# Altium PCB 4层.PcbDoc (part 2 of 2)
Units mil, origin at the board's own origin, x right, y up, seen from the top; angles counter-clockwise.
Board outline 1095 x 1695 mil, 4 copper layers (Top Layer, GND, POW, Bottom Layer), stack 22.4 mil thick; 74 components, 111 nets, 466 pads, 263 vias.
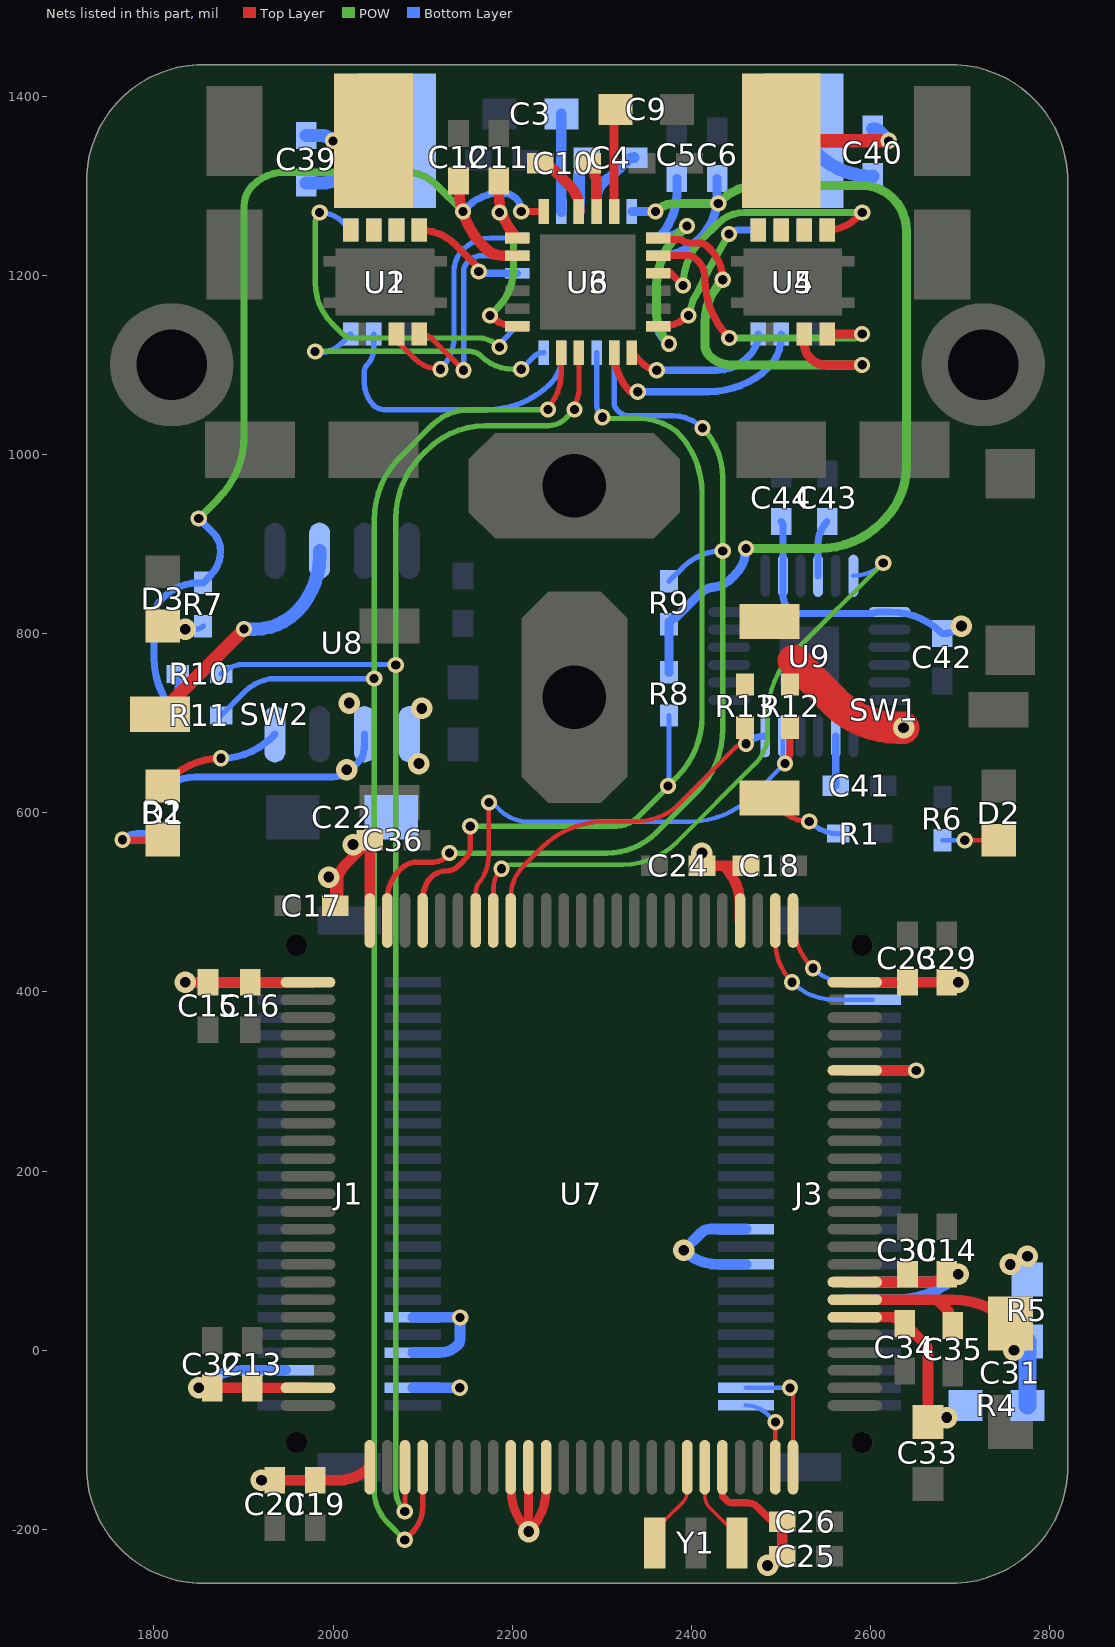
[diagram p4: the nets of this part, all layers, seen from the top]

## Via types
v1: diameter 24, hole 12, Top Layer to Bottom Layer, tented both sides, 137 vias
v2: diameter 18.11, hole 10.24, Top Layer to Bottom Layer, tented both sides, 122 vias
v3: diameter 17.72, hole 10.24, Top Layer to Bottom Layer, tented both sides, 4 vias

## Nets (pads, with @x,y where several pads share a name; then routed paths per layer and width w, separated by ;. In a path a pad name is that pad's centre, name@x,y a point inside that pad or via, vN(x,y) a via of type N, cw(c..) or ccw(c..) an arc to the next point about the centre after c; other vN are vias at no path point) (continued)
IN1: R8.1 U3.15 U7.72 | length 1055.9
  Top Layer w6: U7.72@2099.96,479.8 U7.72@2099.96,500.54 ; v2(2153.18,585) 2153.18,563.52 cw(c2130.44,563.52) 2146.52,547.44 2139.88,540.81 cw(c2125.87,554.82) 2125.87,535 ccw(c2125.87,512.25) 2109.78,528.34 ; U7.72@2099.96,500.54 cw(c2151.66,500.54) 2104.01,520.6 ; U7.72@2099.96,500.54 2099.96,504.62 cw(c2133.49,504.62) 2104.01,520.6 ; 2104.01,520.6 cw(c2133.49,504.62) 2109.78,528.34 ; 2104.01,520.6 cw(c2151.66,500.54) 2105.74,524.29 2109.78,528.34
  POW w6: v2(2153.18,585) 2315.86,585 ccw(c2315.86,619.14) 2340,595 v2@2374.39,629.39 ; v2(2300.56,1041.56) ccw(c2303.97,1044.97) 2303.97,1040.14 2340,1040.14 cw(c2340,967.26) 2383.24,1025.93 cw(c2314.29,956.99) 2411.79,956.99 2411.79,707.53 cw(c2316.39,707.53) 2407.52,679.29 cw(c2316.39,707.53) 2383.88,640.09 ; v2(2373.78,630) 2383.85,640.07
  Bottom Layer w6: U3.15@2294.11,1113.62 2294.11,1057.13 ccw(c2316.13,1057.13) v2(2300.56,1041.56) ; v2(2373.78,630) ccw(c2370.85,632.94) 2375,632.94 R8.1@2375,708.63
IN2: R9.1 U3.14 U7.74 | length 1079.5
  Top Layer w6: U7.74@2060.59,479.8 2060.59,504.24 cw(c2104.08,504.24) 2073.33,535 2075.88,537.55 cw(c2093.87,519.56) 2093.87,545 2111.7,545 ccw(c2111.7,565.03) 2125.87,550.87 v2(2130,555)
  POW w6: v2(2130,555) 2305.2,555 ccw(c2305.2,634.04) 2328.07,558.38 ccw(c2305.2,634.04) 2333.46,560.22 ccw(c2305.2,634.04) 2361.09,578.15 2405.71,622.77 ccw(c2335,693.48) 2435,693.48 v2(2435,892.36) 2435,974.39 ccw(c2357.16,974.39) v2(2412.2,1029.43)
  Bottom Layer w6: U3.14@2313.79,1113.62 2313.79,1057.29 ccw(c2324.71,1057.29) 2316.99,1049.56 2318,1048.55 ccw(c2331.14,1061.7) 2322.93,1045.02 ccw(c2331.14,1061.7) 2331.14,1043.11 2379.18,1043.11 cw(c2379.18,996.4) v2(2412.2,1029.43) ; R9.1@2375,858.53 2390.32,873.86 cw(c2435,829.18) v2(2435,892.36)
IN3: R10.1 U6.15 U7.3 | length 1694
  Top Layer w6: v2(2080,-180) 2080.27,-179.73 U7.3@2080.27,-130.43 ; v2(2269.38,1050) 2265,1050 ccw(c2242.26,1072.74) 2274.42,1072.74 U6.15@2274.42,1113.62
  POW w6: v2(2080,-180) cw(c2104.14,-155.86) 2070,-155.86 2070,928.58 cw(c2170,928.58) 2099.29,999.29 2105,1005 cw(c2170.32,939.68) 2170.32,1032.06 2240,1032.06 ccw(c2240,1059.66) 2259.52,1040.14 v2(2269.38,1050)
  Bottom Layer w6: R10.1@1875,755 cw(c1900.48,729.52) 1900.48,765.56 2069.44,765.56 v2(2070,765)
IN4: R11.1 U6.14 U7.4 | length 1754.5
  Top Layer w6: v2(2080,-211.5) 2088.26,-203.24 ccw(c2060.02,-175) 2099.96,-175 U7.4@2099.96,-130.43 ; v2(2240,1050) 2239.82,1050 2238.77,1051.05 ccw(c2196.74,1091.01) 2254.74,1091.01 U6.14@2254.74,1113.62
  POW w6: v2(2080,-211.5) 2061.06,-192.56 cw(c2097.76,-155.86) 2057.96,-189.17 cw(c2097.76,-155.86) 2049.21,-174.21 cw(c2097.76,-155.86) 2045.86,-155.86 v2(2045.86,750) 2045.86,926.64 cw(c2145.86,926.64) 2070.8,992.71 cw(c2145.86,926.64) 2075.15,997.35 2109.85,1032.06 ; 2109.88,1032.08 cw(c2153.18,988.73) 2151.26,1049.97 cw(c2153.18,988.73) 2153.18,1050 v2(2240,1050)
  Bottom Layer w6: R11.1@1875,708.63 1901.62,735.25 cw(c1937.24,699.62) 1930,749.48 2044.6,749.48 ccw(c2044.6,751.26) v2(2045.86,750)
INT: U7.68 U9.12 | length 742.5
  Top Layer w5: 2179.42,520.28 2179.42,481.55 cw(c2176.95,481.55) U7.68@2178.7,479.8 2178.7,514.82 cw(c2210.77,514.82) v2(2188.09,537.5)
  POW w5: v2(2188.09,537.5) cw(c2199.43,526.16) 2199.43,542.2 2323.78,542.2 ccw(c2323.78,626.28) 2383.24,566.83 2471.58,655.17 ccw(c2439.22,687.55) 2485,687.55 2485,708.32 cw(c2585,708.32) 2514.29,779.03 v2(2614.07,878.81)
  Bottom Layer w5: U9.12@2580.76,864.49 ccw(c2580.76,910.33) 2613.18,877.92 v2(2614.07,878.81)
NetC3_2: C3.2 U3.2 | length 108.9
  Bottom Layer w12: U3.2@2254.74,1271.1 C3.2@2254.73,1380
NetC4_1: C4.1 U3.4 | length 79.8
  Bottom Layer w12: U3.4@2294.11,1271.1 2294.11,1287.09 cw(c2316.57,1287.09) 2300.69,1302.97 cw(c2318.25,1285.42) 2308.26,1308.15 2328.06,1327.95 cw(c2336.14,1319.87) C4.1@2336.14,1331.3
NetC4_2: C4.2 U3.3 | length 62.5
  Bottom Layer w13: U3.3@2274.42,1271.1 2274.42,1310.25 cw(c2304.19,1310.25) C4.2@2283.14,1331.3
NetC5_2: C5.2 U3.7 U3.12 | length 277.5
  POW w10: v2(2375,1123.46) cw(c2408.35,1156.81) 2373.07,1125.51 cw(c2408.35,1156.81) 2361.19,1156.81 2361.19,1188.56 cw(c2439.95,1188.56) 2384.26,1244.26 v3(2395,1255)
  Bottom Layer w10: U3.12@2363,1143.15 ccw(c2381.57,1143.15) 2368.44,1130.02 v2(2375,1123.46) ; C5.2@2383.72,1308.15 2383.72,1291.59 cw(c2312.98,1291.59) 2363.52,1242.1 cw(c2312.98,1291.59) U3.7@2363,1241.57 ccw(c2363,1286.4) 2394.7,1254.7 v3(2395,1255)
NetC6_2: C6.2 R8.2 R9.2 U3.6 U3.8 | length 1164.2
  POW w10: v3(2359.85,1271.1) cw(c2381.34,1249.61) 2361.19,1272.36 cw(c2381.34,1249.61) 2381.34,1280 v2(2430,1280) 2433.74,1283.74 cw(c2473,1244.47) 2473,1300 2590.86,1300 cw(c2590.86,1251.72) 2625,1285.86 cw(c2588.79,1249.64) 2640,1249.64 2640,986.99 cw(c2554.64,986.99) 2615,926.64 2612.65,924.29 cw(c2541.94,995) 2541.94,895 v2(2460.85,895)
  Bottom Layer w10: U3.6@2333.48,1271.1 v3(2359.85,1271.1) ; U3.8@2363,1221.89 2365.86,1221.89 ccw(c2365.86,1280.94) 2407.62,1239.19 2410,1241.57 ccw(c2364.81,1286.76) 2428.72,1286.76 C6.2@2428.72,1308.15 ; R8.2@2375,756.83 R9.2@2375,810.33 2375,812.83 2380,817.83 2382.5,817.83 2408.84,844.17 cw(c2428.97,824.03) 2418.35,850.46 ; v2(2460.85,895) cw(c2419.49,895) 2457.55,878.81 cw(c2419.49,895) 2448.73,865.76 2442.31,859.34 cw(c2415,896.26) 2428.97,852.51 ; 2418.35,850.46 cw(c2428.97,824.03) 2428.97,852.51 ; 2418.35,850.46 ccw(c2415,896.26) 2428.97,852.51 ; 2418.35,850.46 cw(c2428.97,824.03) 2428.97,852.51
NetC9_2: C9.2 U6.2 | length 114.2
  Top Layer w10: U6.2@2313.79,1271.1 2313.79,1382.08 cw(c2317.92,1382.08) C9.2@2315,1385
NetC10_1: C10.1 U6.4 | length 74.1
  Top Layer w12: C10.1@2231.23,1325 cw(c2231.23,1306.46) C10.1@2244.33,1319.58 ; C10.1@2244.34,1319.57 2265,1298.91 cw(c2242.26,1276.17) 2274.42,1276.17 U6.4@2274.42,1271.1
NetC10_2: C10.2 U6.3 | length 56.5
  Top Layer w12: C10.2@2284.23,1325 cw(c2260.38,1301.15) 2294.11,1301.15 U6.3@2294.11,1271.1
NetC11_2: C11.2 U6.7 U6.12 | length 230.1
  Top Layer w8: v2(2175,1155) ccw(c2203.61,1183.61) 2203.61,1143.15 U6.12@2205.53,1143.15
  Top Layer w12: C11.2@2185,1305 2185,1291.13 ccw(c2255.09,1291.13) U6.7@2205.53,1241.57
  POW w8: v2(2175,1155) 2184.05,1164.05 ccw(c2142.6,1205.49) 2201.21,1205.49 2201.21,1232.62 ccw(c2148.35,1232.62) v2(2185.73,1270)
NetC12_2: C12.2 R7.2 R10.2 R11.2 U6.6 U6.8 | length 1199.3
  Top Layer w8: v2(2210,1271.1) U6.6@2235.05,1271.1
  Top Layer w12: C12.2@2140,1305 2140,1301.42 ccw(c2240,1301.42) 2169.29,1230.71 2170,1230 ccw(c2189.58,1249.58) 2189.58,1221.89 U6.8@2205.53,1221.89
  POW w8: v2(1850,928.58) 1871.42,950 ccw(c1800.71,1020.71) 1900.71,1020.71 1900.71,1277.57 cw(c1932.43,1277.57) 1910,1300 cw(c1946.21,1263.79) 1946.21,1315 2081.31,1315 cw(c2081.31,1267.21) 2115.1,1301 v2(2145,1271.1)
  Bottom Layer w8: R10.2@1826.8,755 R11.2@1826.8,708.63 cw(c1891.5,773.33) 1800,773.33 1800,815.86 cw(c1834.14,815.86) 1810,840 cw(c1850.12,799.88) 1850.12,856.62 R7.2@1855,856.62 R7.2@1856.9,858.52 ; v2(1850,928.58) 1866.16,912.42 cw(c1846.1,892.36) 1874.47,892.36 cw(c1835.17,892.36) 1862.96,864.58 R7.2@1856.91,858.53 ; v2(2145,1271.1) 2151.18,1277.28 cw(c2185.73,1242.73) 2185.73,1291.59 2190.03,1291.59 cw(c2190.03,1271.26) 2204.4,1285.64 cw(c2190.89,1272.13) 2210,1272.13 v2(2210,1271.1)
NetC39_1: C39.1 pad.*@2070.8,1350 U2.6 U2.7 U2.8 | length 116
  Bottom Layer w15: C39.1@1970,1302.97 1982.35,1302.97 ccw(c1982.35,1402.97) 2053.06,1332.26 pad.*@2070.8,1350
NetC39_2: C39.2 pad.*@2045.2,1350 U1.6 U1.7 U1.8 | length 76.8
  Top Layer w15: v2(2000,1350) pad.*@2045.2,1350
  Bottom Layer w15: C39.2@1970,1355.97 1985.58,1355.97 cw(c1985.58,1335.58) v2(2000,1350)
NetC40_1: C40.1 pad.*@2525.8,1350 U5.6 U5.7 U5.8 | length 89.3
  Bottom Layer w15: pad.*@2525.8,1350 2539.46,1336.34 ccw(c2602.45,1399.33) C40.1@2602.45,1310.25
NetC40_2: C40.2 pad.*@2500.2,1350 U4.6 U4.7 U4.8 | length 142.7
  Top Layer w15: pad.*@2500.2,1350 v2(2620.15,1350)
  Bottom Layer w15: C40.2@2602.45,1363.25 cw(c2602.45,1352.5) 2610.05,1360.1 v2(2620.15,1350)
NetC41_1: C41.1 U9.20 | length 55.5
  Bottom Layer w8: C41.1@2561.07,630 U9.20@2561.07,685.51
NetC43_1: C43.1 U9.10 | length 63.2
  Bottom Layer w8: U9.10@2541.39,864.49 2541.39,900.86 cw(c2575.52,900.86) C43.1@2551.39,925
NetD1_A: D1.A R2.2 | length 92
  Top Layer w8: v2(1765,570) ccw(c1766.52,571.52) 1766.52,569.37 D1.A@1810,569.37
  Bottom Layer w8: v2(1765,570) cw(c1781.42,553.58) 1781.42,576.8 R2.2@1810,576.8
NetD1_K: D1.K U8.8 | length 141.9
  Top Layer w8: D1.K@1810,630 1816.7,636.7 cw(c1875,578.39) v2(1875,660.85)
  Bottom Layer w8: v2(1875,660.85) ccw(c1875,741.02) 1931.69,684.33 U8.8@1935,687.64
NetD2_K: D2.K R6.1 | length 62.9
  Top Layer w5: v2(2705,569.37) D2.K@2742.94,569.37
  Bottom Layer w5: R6.1@2680,569.37 v2(2705,569.37)
NetD3_A: D3.A R7.1 | length 20.9
  Bottom Layer w6: v1(1835,805) 1846.74,805 ccw(c1846.74,816.68) R7.1@1855,808.42
NetR1_2: R1.2 SW1.3 | length 89.4
  Top Layer w6: SW1.3@2487.05,616.58 2500.44,603.18 ccw(c2531.55,634.29) v2(2531.55,590.3)
  Bottom Layer w6: v2(2531.55,590.3) 2531.79,590.05 ccw(c2563.79,622.05) R1.2@2563.79,576.8
NetSW2_2: SW2.2 U8.2 | length 272.3
  Top Layer w15: SW2.2@1807.07,709.94 cw(c1810.48,709.94) 1808.07,712.35 v2(1900.71,805)
  Bottom Layer w15: v2(1900.71,805) 1912.76,805 ccw(c1912.76,870.6) 1959.14,824.21 ccw(c1896.71,886.64) 1985,886.64 U8.2@1985,892.36
NetU1_3: U1.3 U3.24 | length 268.3
  Top Layer w6: U1.3@2070.8,1130.73 ccw(c2079.46,1130.73) 2073.33,1124.61 2090.87,1107.07 ccw(c2120,1136.2) v2(2120,1095)
  Bottom Layer w6: v2(2120,1095) ccw(c2083.79,1131.21) 2135,1131.21 2135,1204.43 cw(c2169.14,1204.43) 2145,1228.57 2145.79,1229.36 cw(c2175.26,1199.9) 2175.26,1241.57 U3.24@2205.53,1241.57
NetU1_4: U1.4 U3.23 | length 244.5
  Top Layer w6: U1.4@2096.39,1134.32 cw(c2096.39,1112.66) 2109.52,1129.88 cw(c2096.39,1112.66) 2111.7,1127.97 v2(2145.64,1094.04)
  Bottom Layer w6: 2149.88,1214.32 ccw(c2159.79,1204.43) 2145.79,1204.43 v2@2145.79,1094.19 ; 2149.89,1214.33 2151.18,1215.62 cw(c2166.32,1200.48) 2166.32,1221.89 U3.23@2205.53,1221.89 ; v2@2145.79,1094.19 cw(c2123.05,1116.63) v2(2145.64,1094.04) v2@2145.79,1094.19
NetU1_5: U1.5 U3.22 | length 128.2
  Top Layer w8: U1.5@2096.39,1250.46 cw(c2096.39,1192.85) 2137.12,1233.59 2159.79,1210.92 cw(c2153.12,1204.24) v2(2162.56,1204.24)
  Bottom Layer w8: v2(2162.56,1204.24) ccw(c2167.49,1209.17) 2167.49,1202.2 U3.22@2205.53,1202.2
NetU2_3: U2.3 U3.17 | length 329.2
  Bottom Layer w6: U2.3@2045.2,1134.32 2045.2,1117.39 cw(c2020.61,1117.39) 2038.01,1100.01 ccw(c2045.24,1092.76) 2035,1092.76 2035,1079.64 ccw(c2069.84,1079.64) 2045.2,1055 ccw(c2057.28,1067.07) 2057.28,1050 2172.3,1050 ccw(c2172.3,1150) 2243.01,1079.29 ccw(c2214.7,1107.6) 2254.74,1107.6 U3.17@2254.74,1113.62
NetU2_4: U2.4 U3.18 | length 314.6
  POW w6: v2(1980,1115) 2152.93,1115 cw(c2152.93,1097.93) 2165,1110 ccw(c2201.21,1146.21) 2201.21,1095 v2(2210,1095)
  Bottom Layer w6: v2(1980,1115) ccw(c1983.33,1118.33) 1983.33,1113.62 1985,1113.62 ccw(c1985,1147.21) 2008.75,1123.46 U2.4@2019.61,1134.32 ; v2(2210,1095) 2224.07,1109.07 cw(c2235.05,1098.1) U3.18@2235.05,1113.62
NetU2_5: U2.5 U3.19 | length 397.8
  POW w6: v2(1985,1270) ccw(c1997.07,1257.93) 1980,1257.93 1980,1192.39 ccw(c2046.12,1192.39) 1999.37,1145.63 2010,1135 ccw(c2022.07,1147.07) 2022.07,1130 2161.61,1130 cw(c2161.61,1095.89) v2(2185.73,1120.01)
  Bottom Layer w6: v2(1985,1270) cw(c1985,1233.61) 2010.73,1259.34 U2.5@2019.61,1250.46 ; v2(2185.73,1120.01) cw(c2193.8,1120.01) 2188.09,1125.71 U3.19@2205.53,1143.15
NetU4_3: U4.3 U6.24 | length 453
  Top Layer w8: U6.24@2363,1241.57 ccw(c2367.11,1245.68) 2367.11,1239.87 2388.79,1239.87 ccw(c2398.02,1249.09) 2398.02,1236.04 2408.65,1236.04 cw(c2408.65,1223.41) 2411.75,1235.66 cw(c2408.65,1223.41) 2417.59,1232.34 2420.91,1229.03 cw(c2386.88,1195) v2(2435,1195)
  Top Layer w10: U4.3@2525.8,1134.32 2525.8,1124.46 ccw(c2550.39,1124.46) 2533,1107.07 ccw(c2550.06,1124.13) 2550.06,1100 v3(2590.55,1100)
  POW w10: v2(2435,1195) ccw(c2483.28,1146.72) 2415,1146.72 2415,1122.41 ccw(c2432.54,1122.41) 2420.14,1110 ccw(c2444.28,1134.14) 2444.28,1100 v3(2590.55,1100)
NetU4_4: U4.4 U6.23 | length 330.1
  Top Layer w8: U6.23@2363,1221.89 2396.57,1221.89 cw(c2396.57,1210.43) 2404.67,1218.53 2407.65,1215.56 cw(c2390.09,1198) 2414.92,1198 2414.92,1196.13 ccw(c2508.45,1196.13) v2(2442.31,1130)
  Top Layer w10: U4.4@2551.39,1134.32 v3(2590.55,1134.32)
  POW w8: v2(2442.31,1130) 2580.12,1130 ccw(c2580.12,1144.75) v3(2590.55,1134.32)
NetU4_5: U4.5 U6.22 | length 324.7
  Top Layer w8: U6.22@2363,1202.2 2375.89,1202.2 cw(c2375.89,1199.57) 2377.75,1201.43 v2(2390.62,1188.56) ; U4.5@2551.39,1250.46 ccw(c2551.39,1297.83) 2584.88,1264.33 v2(2590.55,1270)
  POW w8: v2(2390.62,1188.56) cw(c2463.02,1188.56) 2400.77,1225.52 cw(c2463.02,1188.56) 2411.79,1239.72 ; 2411.83,1239.76 2430,1257.93 cw(c2459.14,1228.79) 2459.14,1270 v2(2590.55,1270)
NetU5_3: U5.3 U6.17 | length 250.9
  Top Layer w8: U6.17@2313.79,1113.62 ccw(c2375.67,1113.62) 2331.91,1069.87 2332.05,1070 v2(2340,1070)
  Bottom Layer w8: v2(2340,1070) 2418.83,1070 ccw(c2418.83,1167.9) 2479.42,1091.01 2486.9,1098.49 ccw(c2454.79,1130.6) 2495.22,1109.9 ccw(c2454.79,1130.6) 2500.2,1130.6 U5.3@2500.2,1134.32
NetU5_4: U5.4 U6.18 | length 173.2
  Top Layer w8: U6.18@2333.48,1113.62 2346.04,1101.06 ccw(c2363,1118.02) 2363,1094.04 v2(2361.19,1094.04)
  Bottom Layer w8: v2(2361.19,1094.04) 2428.97,1094.04 ccw(c2428.97,1140.36) 2461.73,1107.6 2464.83,1110.71 ccw(c2441.22,1134.32) U5.4@2474.61,1134.32
NetU5_5: U5.5 U6.19 | length 172.6
  Top Layer w8: U6.19@2363,1143.15 2367.96,1143.15 ccw(c2367.96,1183.61) v2(2396.57,1155)
  POW w8: v2(2396.57,1155) 2402.01,1172.73 2407.46,1182.2 2418.83,1205.49 v2(2441.94,1245.99)
  Bottom Layer w8: v2(2441.94,1245.99) cw(c2452.72,1235.21) 2452.72,1250.46 U5.5@2474.61,1250.46
REF+: C33.2 C34.2 R4.2 U7.31 | length 177.7
  Top Layer w12: U7.31@2582.24,36.89 2621.37,36.89 cw(c2621.37,13.37) C34.2@2638,30 2659.38,8.62 cw(c2648.28,-2.48) 2663.98,-2.48 C33.2@2663.98,-80
  other v1: 2685,-75
SCL: R12.2 U7.69 U9.23 | length 567.4
  Top Layer w5: U7.69@2159.01,479.8 2159.01,510.28 cw(c2178.83,510.28) 2161.72,520.28 cw(c2178.83,510.28) 2164.82,524.29 ccw(c2123.06,553.3) 2173.9,553.3 v2(2173.9,611.57)
  Top Layer w8: v2(2504.29,655) ccw(c2490.5,668.79) 2510,668.79 R12.2@2510,695
  Bottom Layer w5: v2(2173.9,611.57) cw(c2173.9,602.14) 2180.57,608.81 2186.28,603.1 ccw(c2217.78,634.6) 2217.78,590.05 2397.92,590.05 ccw(c2397.92,690.05) 2468.63,619.34 v2(2504.29,655) cw(c2509.77,660.48) 2502.02,660.48 U9.23@2502.02,685.51
SDA: R13.2 U7.67 U9.24 | length 403.3
  Top Layer w5: U7.67@2198.38,479.8 2198.38,506.17 cw(c2247.37,506.17) 2212.73,540.81 2232.93,561.01 cw(c2303.65,490.3) 2303.65,590.3 2337.44,590.3 ccw(c2337.44,662.92) 2380.5,604.44 2447.79,671.74 cw(c2460.85,658.68) v2(2460.85,677.14) 2460.85,692.96 ccw(c2457.96,692.96) R13.2@2460,695
  Bottom Layer w8: v2(2460.85,677.14) cw(c2481.05,656.95) 2481.05,685.51 U9.24@2482.33,685.51
SWCLK: J3.25 U7.24 | length 89.4
  Top Layer w5: U7.24@2493.66,-130.43 v2(2493.66,-80)
  Bottom Layer w5: J3.25@2460.85,-61.51 cw(c2460.85,-96.11) 2485.3,-71.65 v2(2493.66,-80)
SWDIO: J3.24 U7.25 | length 138.6
  Top Layer w5: v2(2510,-41.85) cw(c2501.93,-49.92) 2513.34,-49.92 U7.25@2513.34,-130.43
  Bottom Layer w5: J3.24@2460.85,-41.82 2460.88,-41.85 v2(2510,-41.85)
VCC: C13.1 C14.2 C15.2 C16.1 C17.2 C18.2 C19.1 C20.1 C22.1 C23.2 C24.2 C25.1 C26.1 C29.1 C30.2 C32.1 C36.2 C42.2 C44.1 J1.2 J1.4 J1.6 J1.26 J1.48 J3.15 J3.17 J3.32 J3.33 J3.45 R2.1 R5.1 R12.1 R13.1 SW1.1 U7.1 U7.9 U7.10 U7.11 U7.21 U7.33 U7.45 U7.50 U7.54 U7.75 U7.76 U7.99 U8.5 U8.6 U9.8 U9.13 | length 2886.5
  Top Layer w8: U7.21@2434.6,-130.43 2434.6,-162.92 2439.6,-167.91 ccw(c2444.64,-162.87) 2444.64,-170 2461.91,-170 cw(c2461.91,-187.06) 2473.97,-175 C26.1@2501.29,-202.31
  Top Layer w10: U7.9@2198.38,-130.43 2198.38,-154 ccw(c2266.71,-154) v1@2218.07,-201.98 ; U7.10@2218.07,-130.43 v1@2218.07,-201.98 ; U7.11@2237.75,-130.43 2237.75,-155.58 cw(c2171.66,-155.58) v1(2218.4,-202.31) v1@2218.07,-201.99
  Top Layer w12: v1(1835,410.91) C15.2@1860.42,410.91 C16.1@1907.41,410.91 U7.76@1972.01,410.91 ; v1(1850,-41.85) C32.1@1865,-41.85 C13.1@1910,-41.85 U7.99@1972.01,-41.85 ; C20.1@1935,-145 C19.1@1980,-145 2005.73,-145 ccw(c2005.73,-95.27) U7.1@2040.9,-130.43 ; v1@2005.73,528.34 2005.73,504.37 cw(c1994.43,504.37) C17.2@2002.42,496.37 2002.42,512.76 cw(c2046.28,512.76) v1@2005.74,529.48 ; U7.75@2040.9,479.8 C36.2@2040.87,569.37 2015.27,543.77 ; C24.2@2411.75,540.81 2436.3,540.81 ; U7.54@2454.29,479.8 2454.29,497.38 ccw(c2392.87,497.38) 2436.3,540.81 ; C18.2@2460.85,540.81 2436.3,540.81 ; C25.1@2501.29,-230 C26.1@2501.29,-202.31 ; U7.33@2582.24,76.26 2663.98,76.26 ccw(c2663.98,106.1) C14.2@2685.08,85 ; U7.45@2582.24,312.48 2582.34,312.39 v2(2650.97,312.39) ; U7.50@2582.24,410.91 C23.2@2641.14,410.91 C29.1@2685.08,410.91 v1(2697.65,410.91) ; v1@2005.73,529.48 cw(c2046.28,512.76) 2015.27,543.77 ; v1@2005.74,529.48 cw(c2046.28,512.76) 2015.27,543.77
  Top Layer w36: 2513.85,769.9 2559.46,724.29 ccw(c2630.17,795) 2630.17,695 v1(2636.7,695)
  Bottom Layer w8: R2.1@1810,625 cw(c1846.21,588.79) 1846.21,640 2000,640 ccw(c2000,667.91) v1@2019.73,648.17 ; v1@2019.74,648.18 2028.42,656.86 2028.42,657.15 2032.12,660.85 2032.41,660.85 ccw(c1982.47,677.14) 2035,677.14 U8.6@2035,687.64 ; C44.1@2500.2,925 cw(c2495.83,920.62) 2502.02,920.62 U9.8@2502.02,864.49 2502.02,843.7 ccw(c2524.6,843.7) 2508.63,827.73 ccw(c2521.17,840.26) 2521.17,822.54 2602.43,822.54 cw(c2610.52,803.84) 2610.52,824.21 U9.13@2621.03,824.21 2621.55,824.21 cw(c2621.55,741.55) C42.2@2680,800 2680.99,800 ccw(c2680.99,828.75) v1(2701.31,808.42)
  Bottom Layer w12: v1(1835,410.91) J1.26@1947.24,410.89 ; v1(1850,-41.85) cw(c1897.65,-89.5) 1897.65,-22.11 J1.48@1947.24,-22.11 ; J1.2@2088.84,-41.82 v2(2141.35,-41.82) ; J1.4@2088.84,-2.41 2119.2,-2.41 ccw(c2119.2,25.66) 2139.05,5.81 ccw(c2132.84,12.02) 2141.63,12.02 2141.63,36.99 J1.6@2088.84,36.99 ; J3.17@2460.85,95.99 2429.38,95.99 cw(c2429.38,149.75) v1(2391.37,111.73) 2410.61,130.97 cw(c2421.26,120.32) 2421.26,135.38 J3.15@2460.85,135.39 ; J3.32@2602.45,56.59 2629.05,56.59 ccw(c2629.05,153.6) v1(2697.65,85) cw(c2676.61,106.04) 2676.61,76.29 J3.33@2602.45,76.28 ; J3.45@2602.45,312.39 v2(2650.97,312.39)
  other v1: 2485,-240 1920,-145 2755.94,95.94 2775,105 1995.1,528.34 2411.75,555 2022.37,564.57 2015.27,648.05 2095.77,655 2099.06,716.44 2018,722.49
  other v2: 2141.83,36.78
VDDA: C31.1 C35.2 R4.1 R5.2 U7.32 | length 287.3
  Top Layer w12: U7.32@2582.24,56.57 2674.05,56.57 ; C35.2@2691.79,27.83 ccw(c2665.22,27.83) 2691.52,31.6 ccw(c2665.22,27.83) 2684.01,46.62 2674.05,56.57 ; C31.1@2755.94,30 ccw(c2691.79,-34.16) 2691.79,56.57 2674.05,56.57
  Bottom Layer w20: R4.1@2775,-61.51 R5.2@2775,10
  other v1: 2760,0
XI: J3.49 U7.52 | length 169.2
  Top Layer w5: U7.52@2493.66,479.8 2493.66,456.07 ccw(c2557.53,456.07) 2496.96,435.8 ccw(c2557.53,456.07) v2(2512.37,410.91)
  Bottom Layer w5: v2(2512.37,410.91) ccw(c2559.98,458.51) 2559.98,391.18 J3.49@2602.45,391.18
XO: J3.50 U7.51 | length 130.3
  Top Layer w5: U7.51@2513.34,479.8 ccw(c2588.09,479.8) 2535.24,426.95 v2(2535.75,426.44)
  Bottom Layer w5: v2(2535.75,426.44) ccw(c2573.3,463.98) 2573.3,410.89 J3.50@2602.45,410.89
YI: U7.20 Y1.2 | length 97.9
  Top Layer w3.9: U7.20@2414.92,-130.43 2414.92,-162.92 ccw(c2432,-162.92) 2419.92,-175 2424.92,-180 2425,-180 2444.64,-199.64 cw(c2429.27,-215) Y1.2@2451,-215
YO: U7.19 Y1.1 | length 97.4
  Top Layer w3.9: Y1.1@2359,-215 2362.5,-211.5 cw(c2396.3,-211.5) 2372.4,-187.6 2390,-170 ccw(c2377.37,-157.37) 2395.23,-157.37 U7.19@2395.23,-130.43
pads on no net: J1. J3. U3.10 U3.11 U6.10 U6.11 U7.7 U7.8 U7.12 U7.13 U7.97 U7.98 U8.7 U9.2 U9.3 U9.4 U9.5 U9.6 U9.7 U9.14 U9.15 U9.16 U9.17 U9.19 U9.21 U9.22

## Polygon pours and split planes (outlines as drawn)
GND on Top Layer "Top Layer-GND" (solid, pour order 6): 1740,940 1990.95,940 1990.95,847.53 cw(c1987.37,847.53) 1989.9,845 ccw(c2007.17,862.27) 2007.17,837.85 2179.42,837.85 2179.42,595.03 ccw(c2186.11,595.03) 2181.38,590.3 ccw(c2194.18,603.1) 2194.18,585 2790,585 2790,-175 2775,-211.5 cw(c2703.53,-170.4) 2725,-250 cw(c2690.86,-167.58) 2656.72,-250 1856.69,-250 cw(c1856.69,-150) 1785.98,-220.71 1745,-179.73
B- on Top Layer "Top Layer-B-" (solid, pour order 0): 1850,1394.52 1850,965 2725.49,965 2725.49,1385
GND on Bottom Layer "Bottom Layer-GND" (solid, pour order 12): 1740,601.79 2783.64,601.79 cw(c2783.64,561.73) 2811.97,590.05 2811.97,-131.61 cw(c2711.97,-131.61) 2782.68,-202.32 2760,-225 cw(c2699.64,-164.65) 2699.64,-250 1850.94,-250 cw(c1850.94,-215.86) 1826.8,-240 cw(c1826.8,-212.52) 1807.37,-231.95 1740.42,-165
GND on Bottom Layer "Bottom Layer-GND 1" (solid, pour order 10): 2188.25,945.1 1740,945.1 1740,596.59 cw(c1742.5,590.56) 1745,596.59 2190.67,599.26
GND on Bottom Layer "Bottom Layer-GND 2" (solid, pour order 8): 2815.02,1016.63 2471.44,1016.63 2471.44,867.49 cw(c2371.44,867.49) 2442.15,796.78 2400.38,755 ccw(c2406.3,749.07) 2397.92,749.07 2397.92,590.05 2819.75,590.05
B- on Bottom Layer "Bottom Layer-B-" (solid, pour order 2): 1937.24,1390 2650.97,1390 2650.96,978 2105.51,978 cw(c2105.27,1077.99) 2034.56,1007.29 1950.81,1091.05 cw(c1983.7,1123.86) 1937.24,1123.86
VCC on POW "POW-VCC" (solid, pour order 4): 2785,835 2785,-250 1755,-250 1760,-245 1760,835
B+ on GND (split plane): 2160.39,115.63 2160.39,61.68 1766.24,61.68 1766.24,130.29 2040.51,130.29 2041,130.19 2041.49,130.29 2160.39,130.29
GND on GND (split plane): 2799.9,-125 2799.98,-125.77 2799.91,-125.77 2800.08,-130 2799.74,-138.64 2798.73,-147.22 2797.04,-155.7 2794.69,-164.02 2791.7,-172.13 2788.08,-179.98 2783.86,-187.52 2779.06,-194.7 2773.71,-201.49 2767.84,-207.84 2761.49,-213.71 2754.7,-219.06 2747.52,-223.86 2739.98,-228.08 2732.13,-231.7 2724.02,-234.69 2715.7,-237.04 2707.22,-238.73 2698.64,-239.74 2690,-240.08 2685.77,-239.91 2685.77,-239.98 2685,-239.9 1860,-239.9 1859.23,-239.98 1859.23,-239.91 1855,-240.08 1846.36,-239.74 1837.78,-238.73 1829.3,-237.04 1820.98,-234.69 1812.87,-231.7 1805.02,-228.08 1797.48,-223.86 1790.3,-219.06 1783.51,-213.71 1777.16,-207.84 1771.29,-201.49 1765.94,-194.7 1761.14,-187.52 1756.92,-179.98 1753.3,-172.13 1750.31,-164.02 1747.96,-155.7 1746.27,-147.22 1745.26,-138.64 1744.92,-130 1745.09,-125.77 1745.02,-125.77 1745.03,-125.72 1745.1,-125 1745.1,572.35 2031.24,572.35 2035.9,567.69 2035.9,140.48 1761.14,140.48 1759.19,140.09 1757.54,138.99 1756.43,137.34 1756.04,135.39 1756.04,56.59 1756.43,54.63 1757.54,52.98 1759.19,51.88 1761.14,51.49 2165.49,51.49 2167.44,51.88 2169.1,52.98 2170.2,54.63 2170.59,56.59 2170.59,135.39 2170.59,574.9 2799.9,574.9
B- on GND (split plane): 2698.64,1414.74 2707.22,1413.73 2715.7,1412.04 2724.02,1409.69 2732.13,1406.7 2739.98,1403.08 2747.52,1398.86 2754.7,1394.06 2761.49,1388.71 2767.84,1382.84 2773.71,1376.49 2779.06,1369.7 2783.86,1362.52 2788.08,1354.98 2791.7,1347.13 2794.69,1339.02 2797.04,1330.7 2798.73,1322.22 2799.74,1313.64 2800.08,1305 2799.91,1300.77 2799.98,1300.77 2799.9,1300 2799.9,585.1 2165.49,585.1 2163.54,584.71 2161.89,583.6 2160.78,581.95 2160.39,580 2160.39,140.48 2046.1,140.48 2046.1,569.8 2045.71,571.75 2044.6,573.41 2036.96,581.06 2035.3,582.16 2033.35,582.55 1745.1,582.55 1745.1,1300 1745.02,1300.77 1745.09,1300.77 1744.92,1305 1745.26,1313.64 1746.27,1322.22 1747.96,1330.7 1750.31,1339.02 1753.3,1347.13 1756.92,1354.98 1761.14,1362.52 1765.94,1369.7 1771.29,1376.49 1777.16,1382.84 1783.51,1388.71 1790.3,1394.06 1797.48,1398.86 1805.02,1403.08 1812.87,1406.7 1820.98,1409.69 1829.3,1412.04 1837.78,1413.73 1846.36,1414.74 1855,1415.08 1859.23,1414.91 1859.23,1414.98 1860,1414.9 2685,1414.9 2685.77,1414.98 2685.77,1414.91 2690,1415.08

## Other copper
Top Layer:
  rectangle net B+: 2633.95,1385 2715,1415
  rectangle net VCC: 2434.9,728.78 2542.47,837.85
  rectangle net B+: 1995,910 2560,1015
  rectangle net B+: 2500.2,1005 2560,1080
  rectangle net B+: 2465,1015 2510,1143.15
  rectangle net B+: 2053.39,1035 2096.39,1094.04
  rectangle net B+: 2010,1035 2055,1143.15
  rectangle net NetC39_2: 2010,1240 2080.27,1370
  rectangle net NetC40_2: 2465,1240 2533,1360.85
POW:
  rectangle net B+: 2361.19,1385 2725.49,1415
  rectangle net B+: 1860,1375 2200,1415
  pour cut-out: 1932.41,835 1760,835 1760,493.65 ccw(c1777.07,493.65) 1765,481.58 1901.96,618.54 ccw(c1831.25,689.25) 1931.25,689.25 1931.25,693.23
Bottom Layer:
  rectangle net B+: 2019.74,844.17 2185,965
  rectangle net VCC: 2019.74,560 2105,725.79
  rectangle net B+: 2521.7,1055 2560,1143.15
  rectangle net B+: 2062.94,1065 2105,1143.15
  rectangle net NetC40_1: 2493,1241.57 2560,1390
  rectangle net NetC39_1: 2038,1239.19 2105,1390
  pour cut-out: 2460.1,1023.89 ccw(c2568.06,1246.73) 2655.23,1014.97 2655.23,1068.62
GND (plane layer: these items are gaps in the copper):
  lines w10: 1725,577.45 2033.35,577.45 2041,569.8 2041,135.29 ; 2165.49,115.63 2165.49,580 2820,580 ; 1761.14,56.59 1761.14,135.39 2165.49,135.39 2165.49,56.59 2162.7,56.59 1761.14,56.59

## Silkscreen, mask and mechanical layers (free items; w line width, h text height)
Top Overlay:
  text "+" at 2441.94,920.35 h62
  text "off" at 2022.37,870 h36
  text "on" at 2465.76,854.48 h36
  text "PWR" at 2038,747.75 h36 r270
  text "-" at 2252.78,505 h62
  text "on" at 1835,481.55 h36
  text "off" at 2537.29,481.55 h36
  text "Work" at 2795,400 h36 r90
  text "JLCJLCJLCJLC" at 2050.75,385 h31.5 r270
  text "NXP2020CSU" at 1820,-75 h60 r90
Bottom Overlay:
  text "+8V" at 2173.9,1005 h62
  text "智能车驱动&主控核心板" at 2806,1005 h99 r86
  text "Fault" at 1740,660.85 h52 r270
  text "-" at 2252.78,556.8 h62
  text "CBX" at 2351.18,174.68 h62 r180
  text "LXR" at 2351.18,-15 h62
  text "WHL" at 2351.18,-125.72 h62
Bottom Solder:
  drawing of 423 lines, arcs and shapes, not listed
Mechanical 1:
  the board outline again, w10